# KiCad board keyboard-with-fingerprint-sensor.kicad_pcb (continued)
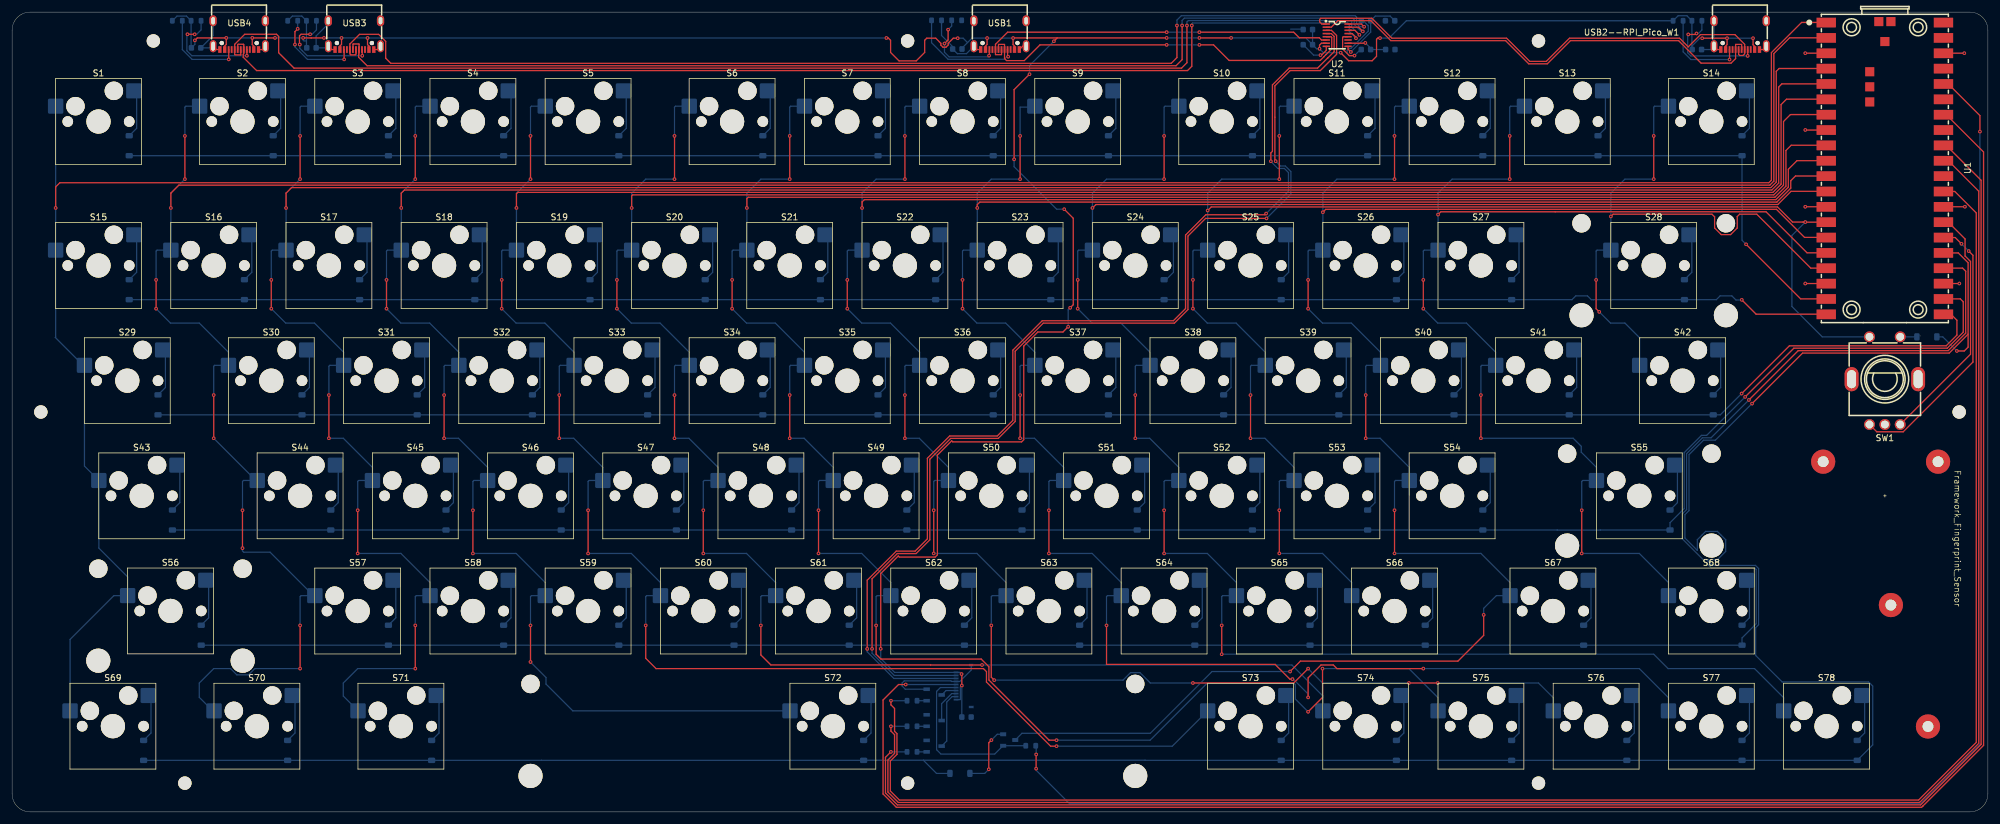
[diagram p0: board, top side]
## Routing (per net, layer and track width the routed paths; a pad name or vN(x,y) marks a point on that pad's centre or on a via; arc(x,y) is an arc through that point) (continued)
Net-(D54-A): length 8.1
  Bottom w0.2: D54.2 244.43,51.15 244.43,56.9 S54.2
Net-(D55-A): length 8.1
  Bottom w0.2: S55.2 275.39,56.9 275.39,51.15 D55.2
Net-(D56-A): length 8.1
  Bottom w0.2: 32.04,38.31 32.5,37.85 32.5,32.1 D56.2
Net-(D57-A): length 8.1
  Bottom w0.2: D57.2 63.45,32.1 63.45,37.85 S57.2
Net-(D58-A): length 8.1
  Bottom w0.2: D58.2 82.5,32.1 82.5,37.85 S58.2
Net-(D59-A): length 8.1
  Bottom w0.2: D59.2 101.56,32.1 101.56,37.85 S59.2
Net-(D60-A): length 8.1
  Bottom w0.2: S60.2 120.61,37.85 120.61,32.1 D60.2
Net-(D61-A): length 8.1
  Bottom w0.2: S61.2 139.66,37.85 139.66,32.1 D61.2
Net-(D62-A): length 8.1
  Bottom w0.2: S62.2 158.71,37.85 158.71,32.1 D62.2
Net-(D63-A): length 8.1
  Bottom w0.2: S63.2 177.75,37.85 177.75,32.1 D63.2
Net-(D64-A): length 8.1
  Bottom w0.2: D64.2 196.81,32.1 196.81,37.85 S64.2
Net-(D65-A): length 8.1
  Bottom w0.2: D65.2 215.85,32.1 215.85,37.85 S65.2
Net-(D66-A): length 8.1
  Bottom w0.2: S66.2 234.91,37.85 234.91,32.1 D66.2
Net-(D67-A): length 8.1
  Bottom w0.2: D67.2 261.1,32.1 261.1,37.85 S67.2
Net-(D68-A): length 8.1
  Bottom w0.2: S68.2 287.29,37.85 287.29,32.1 D68.2
Net-(D69-A): length 8.1
  Bottom w0.2: D69.2 22.97,13.05 22.97,18.8 S69.2
Net-(D70-A): length 8.1
  Bottom w0.2: D70.2 46.79,13.05 46.79,18.8 S70.2
Net-(D71-A): length 8.1
  Bottom w0.2: S71.2 70.6,18.8 70.6,13.05 D71.2
Net-(D72-A): length 8.1
  Bottom w0.2: 141.57,19.26 142.04,18.8 142.04,13.05 D72.2
Net-(D73-A): length 8.1
  Bottom w0.2: D73.2 211.09,13.05 211.09,18.8 S73.2
Net-(D74-A): length 8.1
  Bottom w0.2: S74.2 230.14,18.8 230.14,13.05 D74.2
Net-(D75-A): length 8.1
  Bottom w0.2: D75.2 249.19,13.05 249.19,18.8 S75.2
Net-(D76-A): length 8.1
  Bottom w0.2: D76.2 268.24,13.05 268.24,18.8 S76.2
Net-(D77-A): length 8.1
  Bottom w0.2: D77.2 287.29,13.05 287.29,18.8 S77.2
Net-(D78-A): length 8.1
  Bottom w0.2: D78.2 306.34,13.05 306.34,18.8 S78.2
Net-(Q1-Pad1): length 1.6
  Bottom w0.2: R9.2 Q1.1
Net-(Q2-Pad1): length 1.6
  Bottom w0.2: R10.2 Q2.1
Net-(Q3-Pad1): length 1.6
  Bottom w0.2: R11.2 Q3.1
Net-(U2-VDD18): length 6.8
  Top w0.2: U2.10 223.73,127.15 v1(223.78,127.2)
  Bottom w0.2: v1(223.78,127.2) 224.65,126.32 C7.1 C8.1
Net-(U2-VDD33): length 12.3
  Top w0.2: v1(221.38,125.7) 220.92,126.15 U2.9
  Bottom w0.2: C6.1 227.87,131.63 225.43,131.63 C5.1 224.66,128.98 v1(221.38,125.7)
Net-(USB1-CC1): length 19.2
  Top w0.2: USB1.4 164.61,125.02 v1(164.71,124.92) ; 164.58,126.15 164.62,126.19
  Bottom w0.2: v1(164.71,124.92) 164.51,124.92 164.08,124.49 154.78,124.49 152.05,127.22 R1.1 ; 164.82,124.99 164.58,124.99
Net-(USB1-CC2): length 14.6
  Top w0.2: v1(154.78,129.39) 154.78,127.69 v1(154.18,127.09) ; USB1.10 161.61,125.15 v1(161.56,125.09)
  Bottom w0.2: v1(154.18,127.09) 154.18,125.66 154.95,124.89 161.38,124.89 161.58,125.09 ; v1(154.78,129.39) 155.37,129.98 R2.1
Net-(USB2--RPI_Pico_W1-CC1): length 18.3
  Top w0.2: v1(287,125.05) 287,126.06 286.98,126.07 ; v1(278.54,128.76) 278.37,128.6 v1(277.17,128.6)
  Bottom w0.2: 279.42,130.83 279.42,129.32 278.86,128.76 v1(278.54,128.76) ; v1(277.17,128.6) 277.07,128.5 277.07,125.57 277.6,125.05 v1(287,125.05)
Net-(USB2--RPI_Pico_W1-CC2): length 14.9
  Top w0.2: 283.98,126.07 284,126.06 v1(284,124.45)
  Bottom w0.2: 276.32,130.83 276.32,125.72 277.6,124.45 v1(284,124.45)
Net-(USB3-CC1): length 18.7
  Top w0.2: v1(57.9,125.07) 57.9,126.08 57.89,126.1 ; v1(49.28,128.62) 47.77,128.62 47.52,128.37 47.52,127.02 47.57,127.02 47.57,127.02 v1(47.57,126.92)
  Bottom w0.2: v1(47.57,126.92) 47.57,126.3 47.98,125.9 ; 47.98,125.9 48.81,125.07 v1(57.9,125.07) ; 50.33,130.86 50.33,129.35 49.6,128.62 v1(49.28,128.62)
Net-(USB3-CC2): length 15.1
  Top w0.2: 54.89,126.1 54.9,126.08 v1(54.9,124.47) ; v1(47.23,129.52) 46.77,129.07 46.77,126.92 v1(46.77,126.92)
  Bottom w0.2: v1(54.9,124.47) 48.84,124.47 46.77,126.54 46.77,126.92 v1(46.77,126.92) ; R5.2 v1(47.23,129.52)
Net-(USB4-CC1): length 18.1
  Top w0.2: USB4.4 38.82,126.08 v1(38.82,125.07) ; v1(30.2,128.62) v1(29,128.62)
  Bottom w0.2: v1(29,128.62) 28.9,128.52 28.9,125.9 29.73,125.07 v1(38.82,125.07) ; R8.2 31.25,129.35 30.52,128.62 v1(30.2,128.62)
Net-(USB4-CC2): length 14.7
  Top w0.2: v1(35.82,124.47) 35.82,126.08 USB4.10
  Bottom w0.2: R7.2 28.15,126.09 29.77,124.47 v1(35.82,124.47)

## Copper pours and planes (outline as drawn; the poured copper is in the pictures)
GND on Bottom: 0.02,132.3 0.02,0 326.72,0 326.72,132.3
